# Altium PCB Drive4_NEW.PcbDoc
Units mm, origin at the board's own origin, x right, y up, seen from the top; angles counter-clockwise.
Board outline 85.24 x 26.82 mm, 4 copper layers (Top Layer, GND, PWR, Bottom Layer), stack 0.603 mm thick; 59 components, 38 nets, 163 pads, 215 vias.
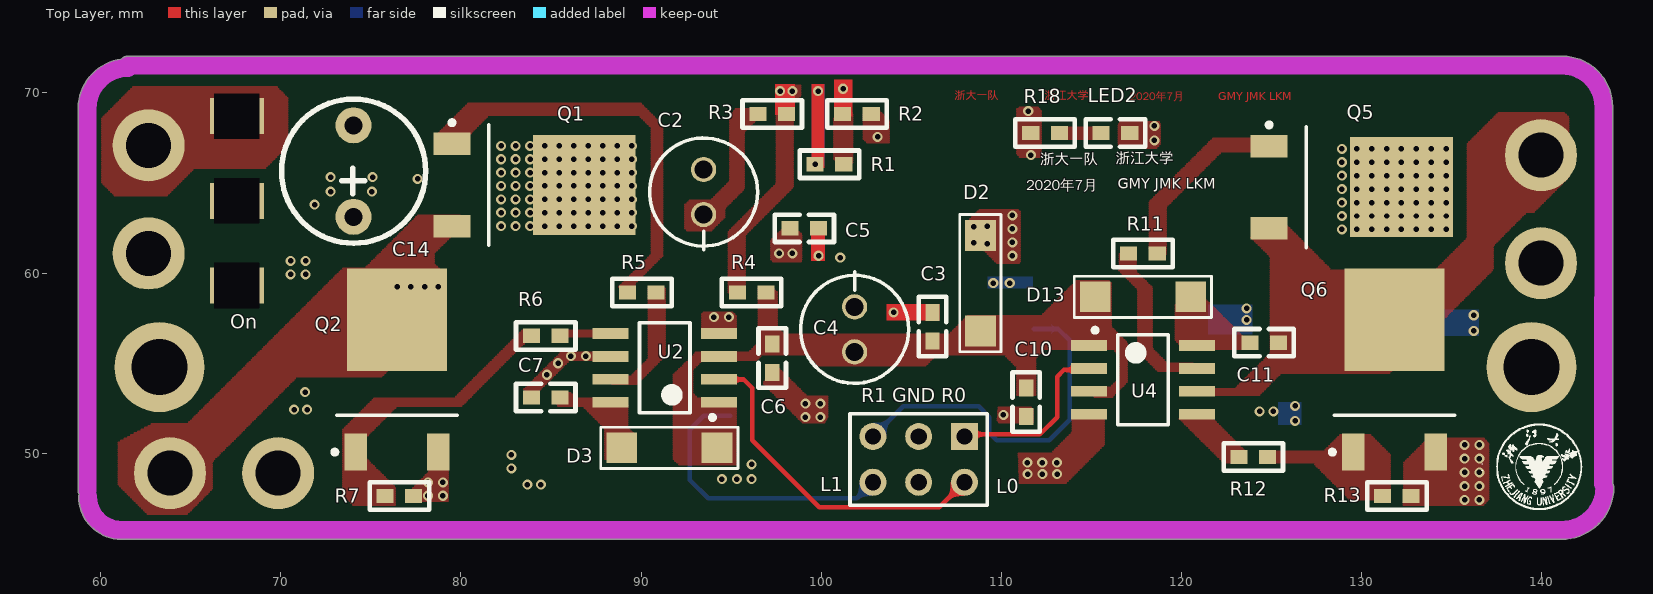
[diagram p0: Top Layer view]
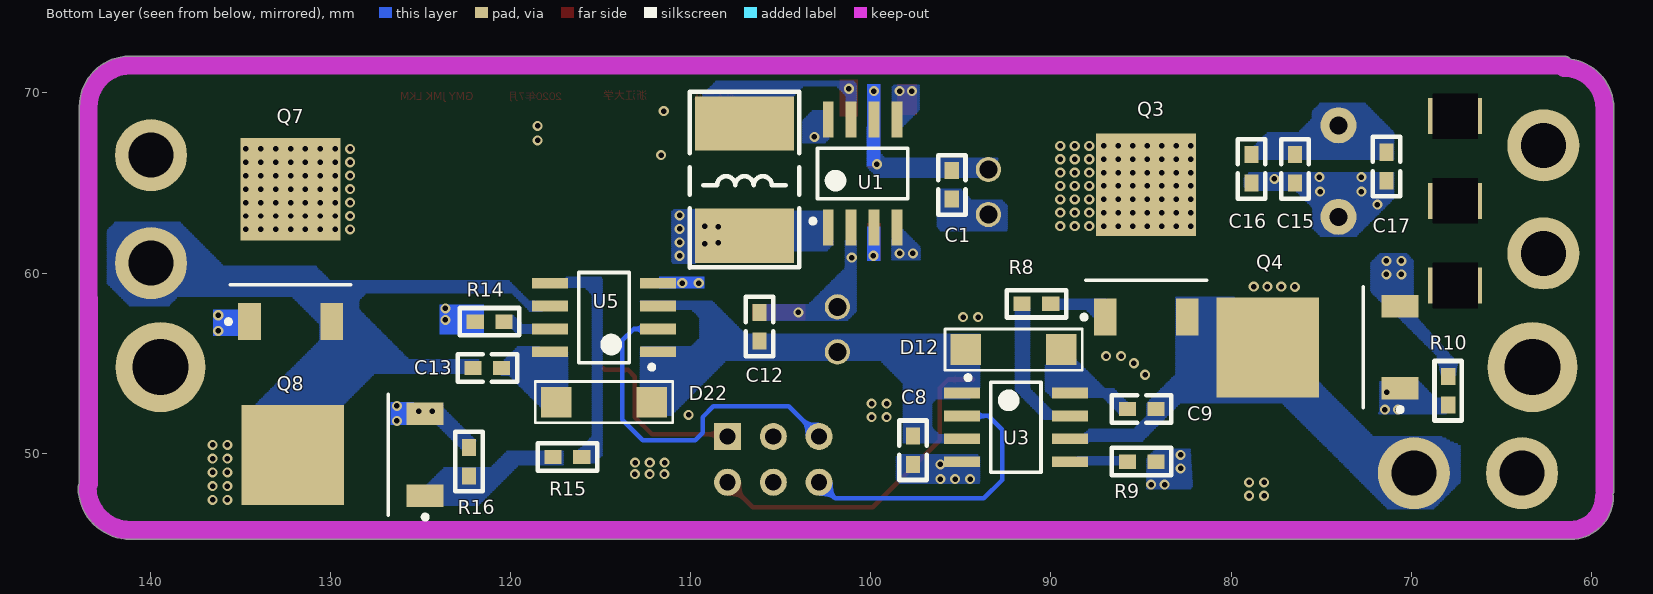
[diagram p1: Bottom Layer view, seen from below]
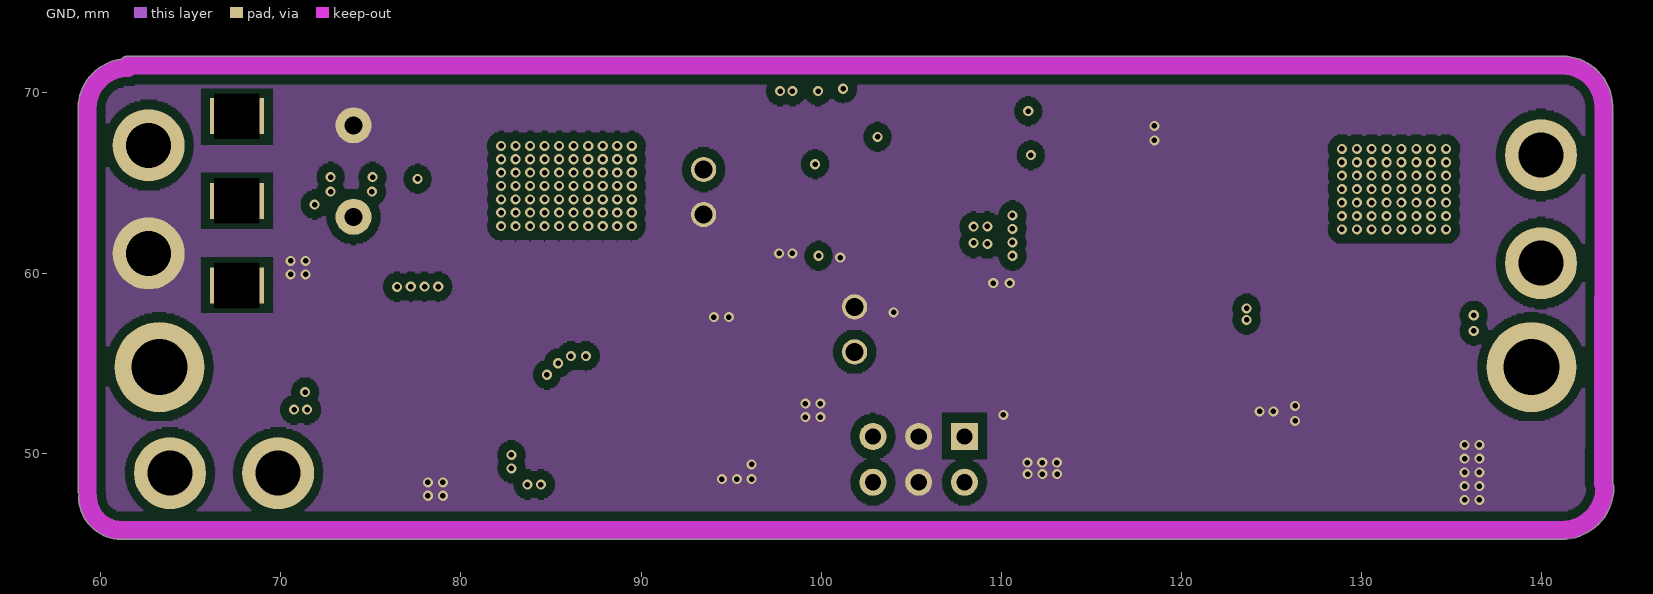
[diagram p2: GND]
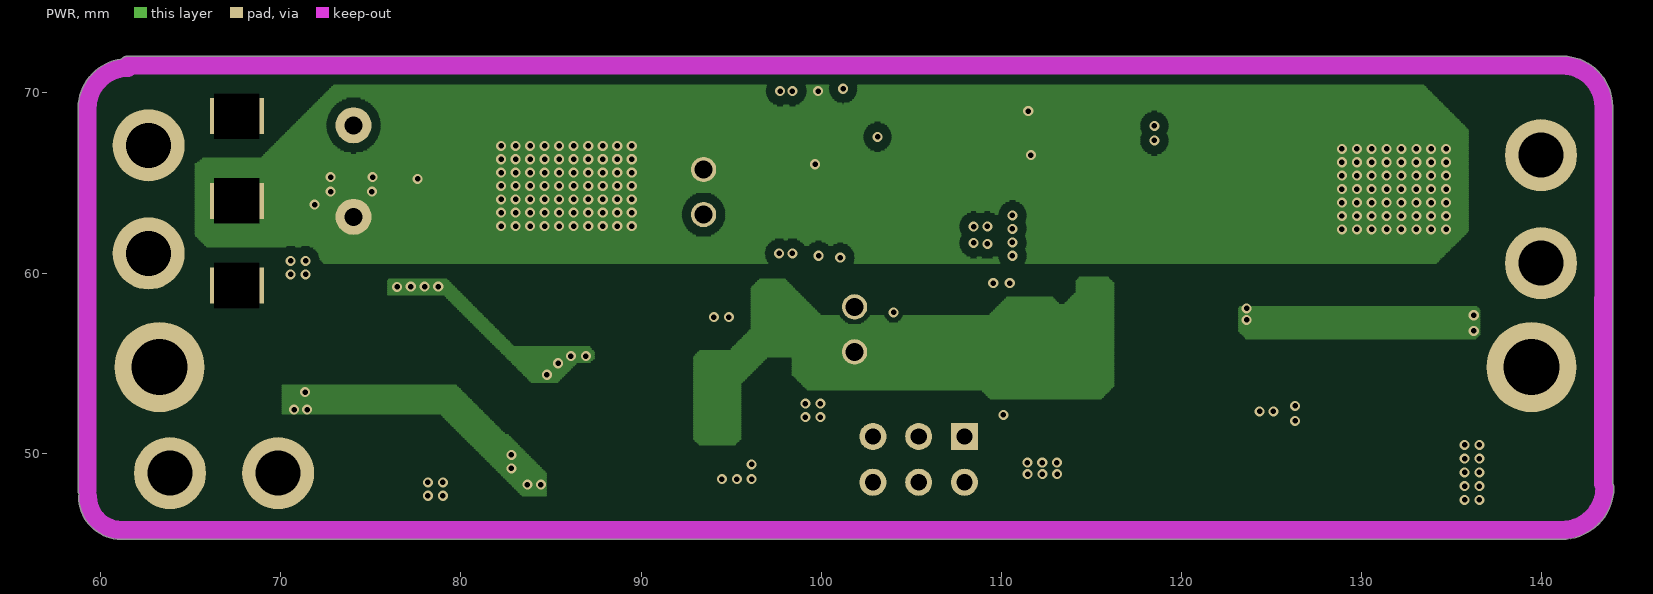
[diagram p3: PWR]

## Layer stack, top to bottom
Top Solder: solder mask 0.0102, Solder Resist, Dk 3.5
Top Layer: signal copper 0.0356
Dielectric 1: dielectric 0.32, FR-4, Dk 4.8
GND: signal copper 0.035
Dielectric 3: prepreg 0.0711, PP-006, Dk 4.1
PWR: signal copper 0.035
Dielectric 2: prepreg 0.0711, PP-006, Dk 4.1
Bottom Layer: signal copper 0.0356
Bottom Solder: solder mask 0.0102, Solder Resist, Dk 3.5

## Board outline
61.124,45.221 ccw(c61.131,45.729) 61.141,45.221 ccw(c61.158,45.729) 61.158,45.22 141.105,45.22 ccw(c141.105,45.729) 141.109,45.22 cw(c141.111,45.729) 141.105,45.22 141.109,45.22 ccw(c141.111,45.729) 141.113,45.22 ccw(c141.105,48.112) 143.997,48.07 ccw(c143.489,48.078) 143.997,48.078 ccw(c143.489,48.078) 143.926,48.336 143.939,69.088 ccw(c143.431,69.088) 143.939,69.088 ccw(c143.431,69.088) 143.928,69.195 ccw(c143.421,69.241) 143.93,69.241 ccw(c143.421,69.241) 143.93,69.242 ccw(c141.127,69.235) 141.167,72.038 ccw(c141.16,71.529) 141.147,72.038 ccw(c141.127,71.53) 141.127,72.038 61.52,72.038 ccw(c61.52,71.53) 61.149,71.877 ccw(c61.52,69.136) 58.754,69.176 ccw(c59.262,69.168) 58.764,69.065 ccw(c59.262,68.961) 58.753,68.961 58.753,47.926 ccw(c59.262,47.926) 58.8,47.712 ccw(c59.294,47.589) 58.785,47.587 ccw(c61.158,47.593)

## Design rules (kind name [scope] priority, off if disabled: settings)
Clearance [All] p1: gap=0.254 ignorepadtopadclearanceinfootprint=TRUE except(0: Arc-Hole Track-Hole SMDPad-Hole THPad-Hole Via-Hole Fill-Hole Poly-Hole Region-Hole Text-Hole)
MinimumSolderMaskSliver [All] p1: minsoldermaskwidth=0.051
PlaneConnect [All] p1: planeconnectstyle=Direct reliefexpansion=0.508 reliefentries=4 reliefconductorwidth=0.254 reliefairgap=0.254
PolygonConnect [All] p1: connectstyle=Direct reliefconductorwidth=0.254 reliefentries=4 polygonreliefangle="90 Angle" airgapwidth=0.254
RoutingVias [All] p1: holewidth=0.559 width=0.559 viastyle="Through Hole" minholewidth=0.305 minwidth=0.305 maxholewidth=1.27 maxwidth=1.27
SilkToSilkClearance [All] p1: silktosilkclearance=0.051
SilkToSolderMaskClearance [IsPad] p1: minsilkscreentomaskgap=0.051 clearancetoexposedcopper=TRUE
SolderMaskExpansion [All] p1: expansion=0.102
Width [All] p1: maxlimit=0.254 minlimit=0.254 preferedwidth=0.254
26 further rules are at their usual default settings.

## Classes and differential pairs
component class Sheet2: C1 C2 C3 C4 C5 C6 C7 C8 C9 C10 C11 C12 C13 C14 C15 C16 C17 D2 D3 D12 D13 D22 LED2 On Q1 Q2 Q3 Q4 Q5 Q6 Q7 Q8 R1 R2 R3 R4 R5 R6 R7 R8 R9 R10 R11 R12 R13 R14 R15 R16 R18 U1 U2 U3 U4 U5

## Components (designator, comment, footprint, x,y, rotation, side; value= is the part's Value field where it differs from the comment)
C1 "Cap" 0603C 95.504,64.897 r90 bottom value=100nF
C2 "Cap" 电解电容 93.472,65.746 r270 top value=100uF/16V
C3 "Cap" 0603C 106.172,57.023 r270 top value=100nF
C4 "Cap" 电解电容 101.854,55.626 r90 top value=100uF/16V
C5 "Cap" 0603C 99.06,62.484 r0 top value=470pF
C6 "Cap" 0603C 97.282,55.277 r90 top value=100nF
C7 "Cap" 0603C 84.709,53.086 r0 top value=1.5uF
C8 "Cap" 0603C 97.663,50.165 r90 bottom value=100nF
C9 "Cap" 0603C 84.963,52.451 r0 bottom value=1.5uF
C10 "Cap" 0603C 111.379,52.832 r90 top value=100nF
C11 "Cap" 0603C 124.587,56.134 r180 top value=1.5uF
C12 "Cap" 0603C 106.172,57.023 r270 bottom value=100nF
C13 "Cap" 0603C 121.285,54.737 r180 bottom value=1.5uF
C14 "Cap" CAP5.08/8 74.024,63.078 r90 top value=470uF/16V
C15 "Cap" 0603C 76.454,65.786 r270 bottom value=100nF
C16 "Cap" 0603C 78.867,65.786 r270 bottom value=100nF
C17 "Cap" 0603C 71.374,65.913 r270 bottom value=100nF
D2 "1N5819" ss54 108.839,59.436 r90 top
D3 "SS14" ss54 91.567,50.292 r180 top
D12 "SS14" ss54 92.075,55.753 r0 bottom
D13 "SS14" ss54 117.856,58.674 r180 top
D22 "SS14" ss54 114.808,52.832 r180 bottom
LED2 "0" 0603C 116.332,67.767 r0 top
On "SW-SPDT" SW 67.564,64.009 r90 top (schematic designator S1)
P4 "Header 3X2" HDR2X3 107.95,50.927 r180 top
Q1 "MOSFET" DPAK-1 84.052,64.891 r0 top
Q2 "MOSFET" DPAK-1 76.454,54.61 r90 top
Q3 "MOSFET" DPAK-1 84.709,62.103 r90 bottom
Q4 "MOSFET" DPAK-1 75.162,55.874 r0 bottom
Q5 "MOSFET" DPAK-1 129.413,64.77 r0 top
Q6 "MOSFET" DPAK-1 131.826,54.61 r90 top
Q7 "MOSFET" DPAK-1 132.207,61.849 r90 bottom
Q8 "MOSFET" DPAK-1 129.286,49.911 r0 bottom
R1 "Res2" 0603R 100.457,66.04 r0 top value=0.22
R2 "Res2" 0603R 101.981,68.834 r180 top value=180
R3 "Res2" 0603R 97.282,68.834 r180 top value=3.9k
R4 "Res2" 0603R 96.139,58.928 r180 top value=33k
R5 "Res2" 0603R 90.043,58.928 r0 top value=20
R6 "Res2" 0603R 84.709,56.515 r0 top value=20
R7 "Res2" 0603R 76.581,47.625 r180 top value=10k
R8 "Res2" 0603R 90.805,58.293 r0 bottom value=20
R9 "Res2" 0603R 84.963,49.53 r0 bottom value=20
R10 "Res2" 0603R 67.945,53.467 r270 bottom value=10k
R11 "Res2" 0603R 117.856,61.087 r180 top value=20
R12 "Res2" 0603R 123.984,49.784 r180 top value=20
R13 "Res2" 0603R 131.953,47.625 r180 top value=10k
R14 "Res2" 0603R 121.158,57.299 r180 bottom value=20
R15 "Res2" 0603R 116.84,49.784 r180 bottom value=20
R16 "Res2" 0603R 122.301,49.53 r270 bottom value=10k
R18 "Res2" 0603R 112.427,67.767 r180 top value=11k
U1 "MC34063" SOIC-8 100.457,65.532 r90 bottom
U2 "IR2104" SOIC-8 91.313,54.737 r180 top
U3 "IR2104" SOIC-8 91.948,51.435 r180 bottom
U4 "IR2104" SOIC-8 117.856,54.07 r0 top
U5 "IR2104" SOIC-8 114.808,57.531 r0 bottom
? "Comment" CD54 107.01,65.119 r90 bottom
? "Comment" VCCBAT#1 139.954,64.992 r90 top
? "Comment" VCCBAT#2 62.662,65.532 r90 top
? "Comment" VCCBAT#2 65.405,48.895 r180 top

## Footprints (in the part's own frame and the unit in brackets; to place one, negate y for a bottom-side part, rotate by r counter-clockwise, add the part's x,y. Pads: shape width x height; smd on the part's side, far side on the other; paste and mask are expansions set on the pad)
0603C [mil]
  rect 37.5x31 smd: 1(-31.25,0) 2(31.25,0)
  silkscreen extent -65,-30 65,30
0603R [mil]
  rect 37.5x31 smd: 1(-31.25,0) 2(31.25,0)
  silkscreen extent -65,-30 65,30
CAP5.08/8 [mm]
  round 2 hole 1: 1(0.041,-0.017) 2(5.121,-0.017)
  silkscreen extent -1.42,-4.02 6.58,3.98
CD54 [mm] "5.8*5.2*4.5mm（长宽高）"
  rect 3x5.5 smd: 1(-3.048,0) 2(3.175,0)
  silkscreen extent -4.83,-3.05 4.95,3.05, body extent -2.87,-2.5 2.87,2.5, height 4
DPAK-1 [mm]
  rect 2.05x1.25 smd: 1(-4.55,2.28) 3(-4.55,-2.28)
  rect 5.7x5.55 smd: 4(2.794,0)
  silkscreen extent -4.67,-3.35 -2.5,3.58, body extent -2.15,-3.37 4.07,3.37, height 2.38
HDR2X3 [mm] "Connector; Header; 3x2 Position"
  rect 1.5x1.5 hole 0.9: 1(0,0)
  round 1.5 hole 0.9: 2(0,2.54) 3(2.54,0) 4(2.54,2.54) 5(5.08,0) 6(5.08,2.54)
  silkscreen extent -1.27,-1.27 6.35,3.81
SOIC-8 [mm]
  rect 2x0.6 smd: 1(-3,1.905) 2(-3,0.635) 3(-3,-0.635) 4(-3,-1.905) 5(3,-1.905) 6(3,-0.635) 7(3,0.635) 8(3,1.905)
  silkscreen extent -2.77,-2.5 1.4,2.88, body extent -3.05,-2.44 3.05,2.46, height 1.51
ss54 [mm]
  rect 1.7x1.7 smd: A(-2.65,0) K(2.65,0)
  silkscreen extent -3.81,-1.14 3.81,1.14
SW [mm]
  rect 2x3 hole 2.5 square: 1(-4.7,0) 2(0,0) 3(4.7,0)
VCCBAT#1 [mm]
  round 4 hole 2.5: 1(-4.445,0) ""(1.555,0)
VCCBAT#2 [mm]
  round 4 hole 2.5: 1(-4.445,0) 1(1.555,0)
电解电容 [mm]
  round 1.4 hole 1: 1(0,0) 2(2.5,0)
  silkscreen extent -1.75,-3 4.44,3

## Part data
C1 C3 C5 C6 C7 C8 C9 C10 C11 C12 C13 C15 C16 C17: "Capacitor", LatestRevisionDate=17-Jul-2002, LatestRevisionNote="Re-released for DXP Platform.", PackageDescription="Radial Cap, Thru-Hole; 2 Leads; 0.3 in Pin Spacing", PackageReference=RAD-0.3, Published=8-Jun-2000, Publisher="Altium Limited"
C2 C4 C14: library part Cap2, "Capacitor", LatestRevisionDate=17-Jul-2002, LatestRevisionNote="Re-released for DXP Platform.", PackageDescription="Radial Cap, Thru-Hole; 2 Leads; 0.3 in Pin Spacing", PackageReference=RAD-0.3, Published=8-Jun-2000, Publisher="Altium Limited"
D2 D3 D12 D13 D22: library part Diode_1, "Default Diode", Code_JEDEC=DO-214-AB, LatestRevisionDate=17-Jul-2002, LatestRevisionNote="Re-released for DXP Platform.", PackageDescription="DO-214-AB/SMC; 2 C-Bend Leads; Body 7.9 x 5.9 mm, inc. leads (LxW)", PackageReference=SMC, PackageVersion=Sep-1996, Published=8-Jun-2000, Publisher="Altium Limited"
LED2: library part LED2, "Typical RED, GREEN, YELLOW, AMBER GaAs LED", LatestRevisionDate=17-Jul-2002, LatestRevisionNote="Re-released for DXP Platform.", PackageDescription="SM LED; 2 Flat Leads", PackageReference=3.2X1.6X1.1, PackageVersion=Feb-2002, Published=8-Jun-2000, Publisher="Altium Limited"
On: "SPDT Subminiature Toggle Switch, Right Angle Mounting, Vertical Actuation", ComponentLink1Description="Manufacturer Link", ComponentLink1URL=http://www.apem.com, DatasheetVersion=05-Dec-2000, LatestRevisionDate=17-Dec-2003, LatestRevisionNote="Schematic revised, PCB Footprint replaced.", PackageDescription="Switch; 4 Leads", PackageReference=TL36WW15050, Published=24-Mar-1999, Publisher="Altium Limited"
P4: "Header, 3-Pin, Dual row", LatestRevisionDate=17-Jul-2002, LatestRevisionNote="Re-released for DXP Platform.", Publisher="Altium Limited"
Q1 Q2 Q3 Q4 Q5 Q6 Q7 Q8: library part MOSFET-N
R1 R2 R3 R4 R6 R7 R8 R9 R10 R11 R12 R13 R14 R15 R16 R18: "Resistor", LatestRevisionDate=17-Jul-2002, LatestRevisionNote="Re-released for DXP Platform.", PackageDescription="Axial Device, Thru-Hole; 2 Leads; 0.4 in Pin Spacing", PackageReference=AXIAL-0.4, Published=8-Jun-2000, Publisher="Altium Limited"
R5: "Resistor 用了15欧", LatestRevisionDate=17-Jul-2002, LatestRevisionNote="Re-released for DXP Platform.", PackageDescription="Axial Device, Thru-Hole; 2 Leads; 0.4 in Pin Spacing", PackageReference=AXIAL-0.4, Published=8-Jun-2000, Publisher="Altium Limited"

## Free pads (board coordinates)
  round 5 hole 3.1: 21(63.262,54.779) 21(139.43,54.779)

## Via types
v1: diameter 0.559, hole 0.305, Top Layer to Bottom Layer, tented both sides, 215 vias

## Nets (pads, with @x,y where several pads share a name; then routed paths per layer and width w, separated by ;. In a path a pad name is that pad's centre, name@x,y a point inside that pad or via, vN(x,y) a via of type N, cw(c..) or ccw(c..) an arc to the next point about the centre after c; other vN are vias at no path point)
D12V: C3.2 C4.1 C6.2 C8.2 C10.2 C12.2 D2.A D3.A D12.K D13.K D22.K R4.1 U2.1 U2.3 U3.1 U3.3 U4.1 U4.3 U5.1 U5.3
GND: ?.1@62.662,61.087 C1.1 C2.2 C3.1 C4.2 C5.1 C6.1 C8.1 C10.1 C12.1 C14.2 C15.1 C16.1 C17.1 LED2.2 P4.3 P4.4 Q2.3 Q4.3 Q6.3 Q8.3 R3.2 R7.1 R10.1 R13.1 R16.1 U1.2 U1.4 U2.4 U3.4 U4.4 U5.4
  other v1: 135.712,47.409 136.538,47.409 78.168,47.638 78.994,47.638 135.712,48.171 136.538,48.171 78.168,48.384 78.994,48.384 94.488,48.565 95.313,48.565 96.139,48.565 111.455,48.844 112.281,48.844 113.094,48.844 135.712,48.933 136.538,48.933 96.139,49.378 111.442,49.479 112.268,49.479 113.081,49.479 135.712,49.695 136.538,49.695 135.712,50.457 136.538,50.457 126.305,51.797 99.123,52.007 99.949,52.007 110.109,52.121 124.333,52.324 125.095,52.324 126.305,52.623 99.123,52.753 99.949,52.753 94.043,57.556 94.869,57.556 104.013,57.81 109.55,59.436 110.465,59.436 70.548,59.931 71.374,59.931 70.548,60.677 71.374,60.677 101.057,60.858 97.663,61.087 98.405,61.087 118.491,67.361 118.491,68.174
L0: P4.2 U2.2 | length 18.9
  Top Layer w0.254: U2.2 94.325,54.09 95.694,54.09 96.164,53.619 96.164,50.724 99.898,46.99 106.553,46.99 P4.2
L1: P4.6 U3.2 | length 16.3
  Bottom Layer w0.254: U3.2 93.472,52.07 92.71,51.308 92.71,48.514 93.726,47.498 101.981,47.498 P4.6
L+: ?.1@63.85,48.895 C7.1 Q1.3 Q2.4 U2.6
  other v1: 84.772,54.356 85.388,54.991 86.106,55.394 86.931,55.394 76.454,59.233 77.216,59.246 77.978,59.246 78.74,59.246
L-: ?.1@69.85,48.895 C9.1 Q3.3 Q4.4 U3.6
NetC5_2: C5.2 U1.3
  other v1: 99.854,60.96
NetC7_2: C7.2 D3.K U2.8
NetC9_2: C9.2 D12.A U3.8
NetC11_2: C11.2 D13.A U4.8
NetC13_2: C13.2 D22.A U5.8
NetD2_1: ?.1@107.01,62.071 D2.K U1.1
  other v1: 110.617,60.96 109.22,61.62 108.458,61.671 110.617,61.706 110.617,62.452 108.458,62.579 109.22,62.586 110.617,63.198
NetD4_1: Q1.1 R5.1
NetD4_2: R5.2 U2.7
NetD5_1: Q2.1 R6.1 R7.2
NetD5_2: R6.2 U2.5
NetD10_1: Q3.1 R8.1
NetD10_2: R8.2 U3.7
NetD11_1: Q4.1 R9.1 R10.2
  other v1: 83.693,48.26 84.439,48.26 82.804,49.162 82.804,49.908 70.739,52.417 71.465,52.417 71.349,53.388
NetD11_2: R9.2 U3.5
NetD14_1: Q5.1 R11.1
NetD14_2: R11.2 U4.7
NetD15_1: Q6.1 R12.1 R13.2
NetD15_2: R12.2 U4.5
NetD20_1: Q7.1 R14.1
  other v1: 136.22,56.794 123.609,57.404 136.22,57.658 123.609,58.039
NetD20_2: R14.2 U5.7
NetD21_1: Q8.1 R15.1 R16.2
NetD21_2: R15.2 U5.5
NetL1_1: ?.2 R1.2 R2.2 U1.7
  other v1: 101.219,70.231
NetLED2_1: LED2.1 R18.1
NetR2_1: R2.1 U1.8
  other v1: 103.124,67.564
NetR3_1: R3.1 R4.2 U1.5
  other v1: 97.714,70.104 98.4,70.104
R0: P4.1 U4.2 | length 9.8
  Top Layer w0.254: P4.1 108.068,51.045 112.141,51.045 113.094,51.997 113.094,54.242 113.475,54.623 114.774,54.623 U4.2
R1: P4.5 U5.2 | length 20
  Bottom Layer w0.254: P4.5 104.543,52.6 108.74,52.6 109.334,52.006 109.334,51.143 109.753,50.724 112.649,50.724 113.792,51.867 113.792,56.261 113.157,56.896 U5.2
R+: ?. C11.1 Q5.3 Q6.4 U4.6
R-: ?.1@139.954,60.547 C13.1 Q7.3 Q8.4 U5.6
VCC: C1.2 C2.1 C14.1 C15.2 C16.2 C17.2 On.2 Q1.4 Q3.4 Q5.4 Q7.4 R1.1 R18.2 U1.6
  other v1: 128.905,62.421 129.73,62.421 130.556,62.421 131.381,62.421 132.207,62.421 133.032,62.421 133.858,62.421 134.683,62.421 82.233,62.611 83.038,62.611 83.844,62.611 84.649,62.611 85.455,62.611 86.26,62.611 87.066,62.611 87.871,62.611 88.677,62.611 89.482,62.611 128.905,63.167 129.73,63.167 130.556,63.167 131.381,63.167 132.207,63.167 133.032,63.167 133.858,63.167 134.683,63.167 82.233,63.352 83.038,63.352 83.844,63.352 84.649,63.352 85.455,63.352 86.26,63.352 87.066,63.352 87.871,63.352 88.677,63.352 89.482,63.352 71.882,63.805 128.905,63.913 129.73,63.913 130.556,63.913 131.381,63.913 132.207,63.913 133.032,63.913 133.858,63.913 134.683,63.913 82.233,64.093 83.038,64.093 83.844,64.093 84.649,64.093 85.455,64.093 86.26,64.093 87.066,64.093 87.871,64.093 88.677,64.093 89.482,64.093 72.771,64.516 75.057,64.516 128.905,64.659 129.73,64.659 130.556,64.659 131.381,64.659 132.207,64.659 133.032,64.659 133.858,64.659 134.683,64.659 82.233,64.833 83.038,64.833 83.844,64.833 84.649,64.833 85.455,64.833 86.26,64.833 87.066,64.833 87.871,64.833 88.677,64.833 89.482,64.833 77.597,65.227 72.771,65.329 75.095,65.329 128.905,65.405 129.73,65.405 130.556,65.405 131.381,65.405 132.207,65.405 133.032,65.405 133.858,65.405 134.683,65.405 82.233,65.574 83.038,65.574 83.844,65.574 84.649,65.574 85.455,65.574 86.26,65.574 87.066,65.574 87.871,65.574 88.677,65.574 89.482,65.574 99.663,66.04 128.905,66.151 129.73,66.151 130.556,66.151 131.381,66.151 132.207,66.151 133.032,66.151 133.858,66.151 134.683,66.151 82.233,66.315 83.038,66.315 83.844,66.315 84.649,66.315 85.455,66.315 86.26,66.315 87.066,66.315 87.871,66.315 88.677,66.315 89.482,66.315 111.633,66.548 128.905,66.897 129.73,66.897 130.556,66.897 131.381,66.897 132.207,66.897 133.032,66.897 133.858,66.897 134.683,66.897 82.233,67.056 83.038,67.056 83.844,67.056 84.649,67.056 85.455,67.056 86.26,67.056 87.066,67.056 87.871,67.056 88.677,67.056 89.482,67.056 111.493,68.986 99.822,70.104
VIN: ?.1@62.662,67.087 On.3
pads on no net: On.1

## Polygon pours and split planes (outlines as drawn)
NetD20_1 on PWR "PWR-NetD20_1" (hatched Horizontal grid 0.102 track 0.127, remove dead copper, pour order 154): 123.19,58.039 123.368,58.217 136.271,58.217 136.538,57.95 136.538,56.591 136.525,56.591 136.22,56.286 123.698,56.286 123.19,56.794
L+ on PWR "PWR-L+" (hatched Horizontal grid 0.102 track 0.127, remove dead copper, pour order 116): 79.146,59.69 82.956,55.88 87.122,55.88 87.376,55.626 87.376,55.27 87.37,55.27 87.066,54.966 86.36,54.966 85.306,53.911 83.96,53.911 79.045,58.826 75.946,58.826 75.946,59.563 76.073,59.69
NetD11_1 on PWR "PWR-NetD11_1" (hatched Horizontal grid 0.102 track 0.127, remove dead copper, pour order 114): 70.104,52.197 78.867,52.197 83.426,47.638 84.709,47.638 84.709,48.895 82.55,51.054 82.423,51.054 79.629,53.848 70.206,53.848 70.104,53.746
D12V on PWR "PWR-D12V" (hatched Horizontal grid 0.102 track 0.127, remove dead copper, pour order 4): 93.345,55.753 94.996,55.753 96.139,56.896 96.139,59.182 96.647,59.69 97.917,59.69 99.949,57.658 109.347,57.658 110.363,58.674 112.776,58.674 113.157,58.293 113.538,58.293 114.173,58.928 114.173,59.563 114.427,59.817 115.824,59.817 116.205,59.436 116.205,53.721 115.443,52.959 109.474,52.959 108.966,53.467 99.314,53.467 98.425,54.356 98.425,55.245 98.298,55.372 97.028,55.372 95.504,53.848 95.504,50.8 95.123,50.419 93.315,50.419 92.934,50.8 92.934,55.342
VCC on PWR "PWR-VCC" (hatched Horizontal grid 0.102 track 0.127, remove dead copper, pour order 0): 65.786,66.421 68.961,66.421 73.025,70.485 133.35,70.485 135.89,67.945 135.89,62.325 134.112,60.547 72.422,60.547 71.501,61.468 65.913,61.468 65.278,62.103 65.278,66.04
GND on GND "GND-GND" (hatched Horizontal grid 0.102 track 0.127, remove dead copper, pour order 164): 53.721,80.01 55.499,78.232 150.368,78.232 150.368,40.132 147.574,37.338 147.193,37.719 53.34,37.719
no net on GND "GND-No Net" (hatched Horizontal grid 0.102 track 0.127, remove dead copper, pour order 6): 57.658,73.66
NetR3_1 on Top Layer "Top Layer-NetR3_1 1" (hatched Horizontal grid 0.102 track 0.127, remove dead copper, pour order 172): 98.247,70.485 98.831,70.485 98.831,69.825 98.478,69.471 98.333,69.471
no net on Top Layer "Top Layer-No Net 1" (hatched Horizontal grid 0.102 track 0.127, remove dead copper, pour order 170): 97.79,70.485
NetR2_1 on Top Layer "Top Layer-NetR2_1" (hatched Horizontal grid 0.102 track 0.127, remove dead copper, pour order 166): 102.362,68.961 102.362,67.437 102.641,67.158 103.759,67.158 103.759,68.453 103.124,69.088
GND on Top Layer "Top Layer-GND" (hatched Horizontal grid 0.102 track 0.127, remove dead copper, pour order 162): 109.855,52.588 111.59,52.588 111.76,52.417 111.76,51.676 109.912,51.676 109.791,51.797
GND on Top Layer "Top Layer-GND 1" (hatched Horizontal grid 0.102 track 0.127, remove dead copper, pour order 158): 110.96,50.06 112.849,50.06 113.944,51.156 113.944,52.197 115.547,52.197 115.697,52.347 115.697,50.47 113.487,48.26 111.023,48.26
GND on Top Layer "Top Layer-GND 2" (hatched Horizontal grid 0.102 track 0.127, remove dead copper, pour order 148): 132.359,47.752 132.359,49.479 133.782,50.902 136.677,50.902 137.033,50.546 137.033,47.422 136.728,47.117 132.334,47.117
GND on Top Layer "Top Layer-GND 3" (hatched Horizontal grid 0.102 track 0.127, remove dead copper, pour order 140): 116.637,68.453 118.655,68.453 118.808,68.299 118.808,67.158 118.548,66.897 116.7,66.897 116.51,67.087 116.51,68.199
NetD2_1 on Top Layer "Top Layer-NetD2_1" (hatched Horizontal grid 0.102 track 0.127, remove dead copper, pour order 134): 108.179,62.89 108.864,63.576 110.846,63.576 111.023,63.398 111.023,60.617 110.922,60.515 109.791,60.515 109.017,61.29 108.077,61.29
VCC on Top Layer "Top Layer-VCC" (hatched Horizontal grid 0.102 track 0.127, remove dead copper, pour order 132): 111.169,69.291 111.912,69.291 112.192,69.012 112.192,66.484 112.052,66.345 111.125,66.345 110.871,66.599 110.871,69.083
GND on Top Layer "Top Layer-GND 4" (hatched Horizontal grid 0.102 track 0.127, remove dead copper, pour order 130): 92.71,64.009 93.854,64.009 94.945,65.1 94.945,68.77 95.364,69.19 96.482,69.19 96.774,68.897 95.704,67.828 95.704,64.665 94.615,63.576 94.615,63.094 93.878,62.357 92.583,62.357 92.456,62.484 92.456,63.805
GND on Top Layer "Top Layer-GND 5" (hatched Horizontal grid 0.102 track 0.127, remove dead copper, pour order 126): 97.79,62.382 97.231,61.824 97.231,60.757 97.358,60.63 98.831,60.63 98.908,60.706 98.908,62.128 98.552,62.484 98.266,62.484
GND on Top Layer "Top Layer-GND 6" (hatched Horizontal grid 0.102 track 0.127, remove dead copper, pour order 122): 93.396,56.731 93.396,57.741 93.472,57.817 95.073,57.817 95.25,57.64 95.25,56.578
GND on Top Layer "Top Layer-GND 7" (hatched Horizontal grid 0.102 track 0.127, remove dead copper, pour order 120): 96.795,53.878 98.958,51.714 100.184,51.714 100.33,52.007 100.33,53.169 99.181,53.169 97.485,54.864
L+ on Top Layer "Top Layer-L+ 2" (hatched Horizontal grid 0.102 track 0.127, remove dead copper, pour order 14): 62.984,51.689 64.897,51.689 73.533,60.325 74.93,60.325 74.93,58.928 77.597,56.261 75.565,54.229 70.866,54.229 66.167,49.53 66.167,48.006 64.77,46.609 62.636,46.609 60.985,48.26 60.985,50.571 61.087,50.673
GND on Top Layer "Top Layer-GND 8" (hatched Horizontal grid 0.102 track 0.127, remove dead copper, pour order 108): 77.165,47.879 78.232,48.946 78.232,50.292 79.172,50.292 79.273,50.19 79.273,47.307 77.368,47.307
NetD15_1 on Top Layer "Top Layer-NetD15_1" (hatched Horizontal grid 0.102 track 0.127, remove dead copper, pour order 66): 124.409,50.19 127.991,50.19 128.905,51.105 130.378,51.105 131.572,49.911 131.572,47.371 129.413,47.371 127.381,49.403 124.409,49.403
NetD15_2 on Top Layer "Top Layer-NetD15_2" (hatched Horizontal grid 0.102 track 0.127, remove dead copper, pour order 64): 119.882,51.943 122.422,49.403 123.158,49.403 123.158,49.835 123.476,50.152 121.281,52.347
R+ on Top Layer "Top Layer-R+" (hatched Horizontal grid 0.102 track 0.127, remove dead copper, pour order 62): 121.71,53.645 123.05,53.645 124.936,55.531 124.936,60.916 123.876,61.976 124.066,62.166 124.066,62.992 125.476,62.992 128.219,60.249 134.188,60.249 135.89,61.951 135.89,67.183 137.668,68.961 141.16,68.961 141.478,68.643 141.478,65.329 139.548,63.398 139.154,63.398 137.287,61.531 137.287,60.198 131.445,54.356 125.425,54.356 124.206,53.137 120.828,53.137
NetD14_2 on Top Layer "Top Layer-NetD14_2" (hatched Horizontal grid 0.102 track 0.127, remove dead copper, pour order 60): 119.913,54.458 118.796,54.458 117.602,55.651 117.602,59.08 116.535,60.147 116.561,60.173 116.561,61.087 117.348,61.087 117.475,60.96 117.475,60.071 118.364,59.182 118.364,55.816 119.215,54.966 120.634,54.966
NetC11_2 on Top Layer "Top Layer-NetC11_2" (hatched Horizontal grid 0.102 track 0.127, remove dead copper, pour order 56): 119.678,58.217 119.678,56.261 120.186,55.753 124.054,55.753 124.079,55.778 123.571,56.286 120.752,59.106
NetD14_1 on Top Layer "Top Layer-NetD14_1" (hatched Horizontal grid 0.102 track 0.127, remove dead copper, pour order 54): 118.237,61.341 118.237,63.957 121.844,67.564 125.095,67.564 125.095,66.967 124.777,66.65 124.752,66.675 122.142,66.675 119.126,63.659 119.126,60.96
NetLED2_1 on Top Layer "Top Layer-NetLED2_1" (hatched Horizontal grid 0.102 track 0.127, remove dead copper, pour order 48): 113.538,68.174 115.672,68.174 115.672,67.361 113.538,67.361
NetR3_1 on Top Layer "Top Layer-NetR3_1" (hatched Horizontal grid 0.102 track 0.127, remove dead copper, pour order 46): 94.853,58.826 94.853,62.29 97.536,64.973 97.536,69.19 98.425,69.19 98.425,64.77 95.758,62.103 95.758,58.826
D12V on Top Layer "Top Layer-D12V" (hatched Horizontal grid 0.102 track 0.127, remove dead copper, pour order 44): 115.722,53.721 116.129,53.721 116.586,54.178 116.586,55.397 116.205,55.778 115.697,55.778 115.697,56.667 115.57,56.794 115.824,57.048 115.824,57.277 116.967,56.134 116.967,53.95 116.103,53.086 115.24,53.086 114.891,53.435 114.856,53.435
D12V on Top Layer "Top Layer-D12V 1" (hatched Horizontal grid 0.102 track 0.127, remove dead copper, pour order 40): 95.345,55.677 96.063,55.677 96.52,56.134 96.52,59.233 97.231,59.233 97.536,58.928 97.536,56.998 97.892,56.642 107.163,56.642 108.179,57.658 112.268,57.658 114.173,59.563 115.951,59.563 116.078,59.436 116.078,56.134 115.697,55.753 112.37,55.753 111.887,55.27 111.887,53.137 110.871,53.137 110.871,54.762 110.236,55.397 106.324,55.397 105.727,54.8 99.924,54.8 99.327,55.397 96.634,55.397 96.355,55.118 94.412,55.118 94.361,55.067
NetL1_1 on Top Layer "Top Layer-NetL1_1" (hatched Horizontal grid 0.102 track 0.127, remove dead copper, pour order 38): 100.711,68.58 100.711,66.345 101.219,65.837 101.524,66.142 101.727,66.142 101.727,68.834 101.6,68.961
D12V on Top Layer "Top Layer-D12V 2" (hatched Horizontal grid 0.102 track 0.127, remove dead copper, pour order 34): 93.091,55.626 91.821,54.356 91.821,49.657 92.202,49.276 95.25,49.276 95.25,52.832 94.996,53.086 93.091,53.086 92.837,53.34 92.837,54.61 93.396,55.169 94.615,55.169 94.615,55.626
NetD4_1 on Top Layer "Top Layer-NetD4_1" (hatched Horizontal grid 0.102 track 0.127, remove dead copper, pour order 32): 88.773,59.233 90.576,61.036 90.576,68.072 89.865,68.783 81.553,68.783 80.334,67.564 78.562,67.564 80.467,69.469 89.916,69.469 91.186,68.199 91.186,60.96 89.662,59.436 89.662,58.826
NetD4_2 on Top Layer "Top Layer-NetD4_2" (hatched Horizontal grid 0.102 track 0.127, remove dead copper, pour order 30): 88.919,54.356 89.535,54.356 90.424,55.245 90.424,59.233 91.237,59.233 91.313,59.309 91.313,55.397 89.662,53.746 88.392,53.746 88.392,54.023 88.313,54.102
NetC7_2 on Top Layer "Top Layer-NetC7_2" (hatched Horizontal grid 0.102 track 0.127, remove dead copper, pour order 28): 85.217,52.934 85.446,52.527 86.868,52.527 88.011,51.384 88.011,49.657 89.027,49.657 89.408,50.038 89.408,50.749 89.662,51.003 89.249,51.416 89.249,52.705 88.868,53.086 86.36,53.086 85.992,53.404 85.915,53.404 85.242,53.404
L+ on Top Layer "Top Layer-L+" (hatched Horizontal grid 0.102 track 0.127, remove dead copper, pour order 26): 83.439,53.467 85.598,55.626 87.757,55.626 87.757,55.245 87.63,55.118 85.979,55.118 84.201,53.34
no net on Top Layer "Top Layer-No Net" (hatched Horizontal grid 0.102 track 0.127, remove dead copper, pour order 24): 83.534,53.34
NetD5_2 on Top Layer "Top Layer-NetD5_2" (hatched Horizontal grid 0.102 track 0.127, remove dead copper, pour order 22): 85.09,56.896 88.288,56.896 88.313,56.871 88.011,56.569 88.011,56.388 85.63,56.388 85.503,56.261
NetD5_1 on Top Layer "Top Layer-NetD5_1" (hatched Horizontal grid 0.102 track 0.127, remove dead copper, pour order 20): 73.457,50.597 73.457,51.302 75.241,53.086 79.68,53.086 83.439,56.845 83.439,56.896 83.534,56.896 83.915,56.515 79.978,52.578 76.403,52.578 74.549,50.724 74.549,50.394
NetD5_1 on Top Layer "Top Layer-NetD5_1 1" (hatched Horizontal grid 0.102 track 0.127, remove dead copper, pour order 18): 73.457,50.673 73.457,47.701 74.041,47.117 76.302,47.117 76.327,47.142 76.327,48.108 74.549,49.886 74.549,50.698
L+ on Top Layer "Top Layer-L+ 1" (hatched Horizontal grid 0.102 track 0.127, remove dead copper, pour order 16): 74.676,60.249 77.673,63.246 79.883,63.246 80.391,62.738 80.137,62.738 78.486,61.087 78.486,60.528 78.867,60.147
VIN on Top Layer "Top Layer-VIN" (hatched Horizontal grid 0.102 track 0.127, remove dead copper, pour order 10): 60.325,68.834 61.849,70.358 69.723,70.358 70.358,69.723 70.358,67.056 69.088,65.786 65.151,65.786 63.627,64.262 60.833,64.262 60.071,65.024 60.071,68.582 60.198,68.709
NetR3_1 on Bottom Layer "Bottom Layer-NetR3_1" (hatched Horizontal grid 0.102 track 0.127, remove dead copper, pour order 174): 97.333,70.51 97.333,69.063 98.323,68.072 98.679,68.072 98.679,69.375 98.799,69.494 98.799,70.307 98.596,70.51
NetR2_1 on Bottom Layer "Bottom Layer-NetR2_1" (hatched Horizontal grid 0.102 track 0.127, remove dead copper, pour order 168): 102.362,68.961 102.362,67.437 102.641,67.158 103.759,67.158 103.759,68.453 103.124,69.088
R- on Bottom Layer "Bottom Layer-R-" (hatched Horizontal grid 0.102 track 0.127, remove dead copper, pour order 152): 118.669,58.433 118.986,58.433 120.193,59.639 130.708,59.639 129.54,58.471 129.54,58.42 129.362,58.42 128.651,57.709 128.454,57.906 128.454,58.477 128.003,58.928 119.939,58.928 118.872,57.861 118.262,57.861 118.237,57.887
no net on Bottom Layer "Bottom Layer-No Net 1" (hatched Horizontal grid 0.102 track 0.127, remove dead copper, pour order 146): 124.46,52.73
GND on Bottom Layer "Bottom Layer-GND" (hatched Horizontal grid 0.102 track 0.127, remove dead copper, pour order 144): 121.952,50.698 123.775,52.522 123.775,52.753 124.769,52.753 124.994,52.527 122.555,50.088 122.555,50.038
GND on Bottom Layer "Bottom Layer-GND 1" (hatched Horizontal grid 0.102 track 0.127, remove dead copper, pour order 138): 100.838,61.849 100.838,57.861 101.346,57.353 106.248,57.353 106.299,57.404 106.172,57.531 106.172,58.242 103.429,58.242 101.397,60.274 101.397,61.849
NetD2_1 on Bottom Layer "Bottom Layer-NetD2_1" (hatched Horizontal grid 0.102 track 0.127, remove dead copper, pour order 136): 108.179,62.89 108.864,63.576 110.846,63.576 111.023,63.398 111.023,60.617 110.922,60.515 109.791,60.515 109.017,61.29 108.077,61.29
GND on Bottom Layer "Bottom Layer-GND 2" (hatched Horizontal grid 0.102 track 0.127, remove dead copper, pour order 128): 92.837,64.093 94.471,64.093 95.021,64.643 96.266,64.643 96.28,64.629 96.28,62.547 96.013,62.281 92.583,62.281 92.456,62.408 92.456,63.754 92.583,63.881
GND on Bottom Layer "Bottom Layer-GND 3" (hatched Horizontal grid 0.102 track 0.127, remove dead copper, pour order 124): 97.282,61.45 98.253,62.421 98.806,61.867 98.806,60.706 97.333,60.706 97.282,60.757
GND on Bottom Layer "Bottom Layer-GND 4" (hatched Horizontal grid 0.102 track 0.127, remove dead copper, pour order 118): 93.98,48.387 94.107,48.26 98.303,48.26 98.557,48.514 98.557,49.806 98.456,49.908 94.104,49.908 93.98,49.784
NetD11_1 on Bottom Layer "Bottom Layer-NetD11_1 1" (hatched Horizontal grid 0.102 track 0.127, remove dead copper, pour order 112): 82.296,50.292 84.096,50.292 84.649,49.739 84.649,48.006 82.321,48.006 82.169,48.158
NetD11_1 on Bottom Layer "Bottom Layer-NetD11_1 2" (hatched Horizontal grid 0.102 track 0.127, remove dead copper, pour order 110): 68.327,52.197 71.806,52.197 71.73,52.273 71.73,53.996
GND on Bottom Layer "Bottom Layer-GND 5" (hatched Horizontal grid 0.102 track 0.127, remove dead copper, pour order 106): 67.451,55.008 69.882,57.715 69.882,58.274 70.936,58.274 70.993,58.217 70.993,57.861 68.555,55.423 68.199,53.848 67.927,53.95 67.567,54.309
GND on Bottom Layer "Bottom Layer-GND 6" (hatched Horizontal grid 0.102 track 0.127, remove dead copper, pour order 104): 69.85,58.242 69.913,58.306 69.913,60.706 70.294,61.087 71.704,61.087 72.212,60.579 72.212,58.964 71.374,58.126
VCC on Bottom Layer "Bottom Layer-VCC 1" (hatched Horizontal grid 0.102 track 0.127, remove dead copper, pour order 102): 93.218,65.227 99.517,65.227 100.203,65.913 100.203,68.174 99.568,68.174 99.568,66.726 99.187,66.345 92.964,66.345 92.964,65.278
GND on Bottom Layer "Bottom Layer-GND 7" (hatched Horizontal grid 0.102 track 0.127, remove dead copper, pour order 100): 70.993,66.294 79.197,66.294 78.816,66.675 78.816,66.929 77.927,67.818 76.175,67.818 76.175,67.869 75.463,68.58 75.463,68.978 74.972,69.469 72.644,69.469 70.993,67.818
NetL1_1 on Bottom Layer "Bottom Layer-NetL1_1" (hatched Horizontal grid 0.102 track 0.127, remove dead copper, pour order 98): 100.838,69.469 100.838,70.485 101.219,70.866 108.331,70.866 109.347,69.85 109.144,69.647 109.144,68.834 105.308,68.834 103.784,70.358 101.854,70.358 101.346,69.85 101.346,69.215
NetD2_1 on Bottom Layer "Bottom Layer-NetD2_1 1" (hatched Horizontal grid 0.102 track 0.127, remove dead copper, pour order 96): 102.489,63.5 105.283,63.5 105.791,62.992 105.791,61.214 102.489,61.214 102.108,61.595
R- on Bottom Layer "Bottom Layer-R- 1" (hatched Horizontal grid 0.102 track 0.127, remove dead copper, pour order 94): 121.793,54.356 127.641,54.356 130.181,51.816 134.112,51.816 134.112,52.705 130.556,56.261 130.556,57.15 132.131,58.725 138.466,58.725 139.065,58.126 141.057,58.126 142.367,59.436 142.367,62.357 141.859,62.865 138.43,62.865 136.017,60.452 130.915,60.452 125.632,55.169 121.774,55.169
NetD20_2 on Bottom Layer "Bottom Layer-NetD20_2" (hatched Horizontal grid 0.102 track 0.127, remove dead copper, pour order 92): 118.602,57.15 119.38,57.15 119.888,57.658 120.247,57.299 120.284,57.299 119.576,56.591 118.618,56.591
NetD21_2 on Bottom Layer "Bottom Layer-NetD21_2" (hatched Horizontal grid 0.102 track 0.127, remove dead copper, pour order 90): 116.84,59.817 115.062,59.817 114.935,59.69 114.935,59.436 114.935,49.886 115.443,49.378 115.64,49.378 116.173,49.911 116.332,49.911 116.332,50.038 115.443,50.927 115.443,58.801 115.824,59.182 117.221,59.182
no net on Bottom Layer "Bottom Layer-No Net" (hatched Horizontal grid 0.102 track 0.127, remove dead copper, pour order 88): 115.57,49.911
NetC13_2 on Bottom Layer "Bottom Layer-NetC13_2" (hatched Horizontal grid 0.102 track 0.127, remove dead copper, pour order 86): 116.84,55.626 116.84,52.959 116.713,52.832 117.119,52.426 118.161,52.426 120.091,54.356 120.491,54.356 120.491,54.991 119.59,55.893 118.491,55.893
NetD21_1 on Bottom Layer "Bottom Layer-NetD21_1" (hatched Horizontal grid 0.102 track 0.127, remove dead copper, pour order 84): 117.094,49.276 119.64,49.276 121.799,47.117 125.476,47.117 125.476,47.372 123.572,49.276 120.999,49.276 120.11,50.165 117.094,50.165
D12V on Bottom Layer "Bottom Layer-D12V" (hatched Horizontal grid 0.102 track 0.127, remove dead copper, pour order 82): 93.98,56.642 107.036,56.642 108.915,58.522 112.687,58.522 112.776,58.433 112.395,58.052 112.395,57.912 109.855,57.912 109.474,57.531 109.474,56.388 109.969,55.893 112.687,55.893 112.776,55.804 112.776,52.273 112.522,52.019 111.176,52.019 108.026,55.169 99.472,55.169 98.171,53.868 98.171,50.495 95.174,50.495 95.123,50.546 95.631,51.054 96.266,51.054 96.647,51.435 96.647,52.765 96.377,53.035 94.539,53.035 93.98,53.594
NetD10_2 on Bottom Layer "Bottom Layer-NetD10_2" (hatched Horizontal grid 0.102 track 0.127, remove dead copper, pour order 80): 91.186,58.039 91.186,53.569 89.789,52.172 89.789,51.816 90.272,51.816 91.948,53.492 91.948,58.293
NetD10_1 on Bottom Layer "Bottom Layer-NetD10_1" (hatched Horizontal grid 0.102 track 0.127, remove dead copper, pour order 78): 86.919,58.623 90.424,58.623 90.424,58.242 90.094,57.912 87.96,57.912 87.401,57.353 87.401,56.998
NetD11_2 on Bottom Layer "Bottom Layer-NetD11_2" (hatched Horizontal grid 0.102 track 0.127, remove dead copper, pour order 76): 85.926,49.886 88.519,49.886 88.519,49.276 85.926,49.276
NetC9_2 on Bottom Layer "Bottom Layer-NetC9_2" (hatched Horizontal grid 0.102 track 0.127, remove dead copper, pour order 74): 86.995,53.543 89.027,55.575 89.027,56.007 89.205,56.007 90.043,55.169 90.043,55.118 90.297,54.864 90.297,53.486 89.916,53.105
NetC9_2 on Bottom Layer "Bottom Layer-NetC9_2 1" (hatched Horizontal grid 0.102 track 0.127, remove dead copper, pour order 72): 85.725,52.765 86.554,53.594 88.062,53.594 88.062,53.131 88.011,53.08 87.065,53.08 86.106,52.121
L- on Bottom Layer "Bottom Layer-L-" (hatched Horizontal grid 0.102 track 0.127, remove dead copper, pour order 70): 68.453,50.959 72.168,50.959 79.883,58.674 83.038,58.674 83.038,54.376 84.649,52.765 84.649,52.07 85.411,51.308 87.884,51.308 88.265,50.927 88.265,50.8 88.011,50.546 87.884,50.673 84.963,50.673 82.804,52.832 77.191,52.832 71.222,46.863 68.834,46.863 67.31,48.387 67.31,50.419
NetD11_1 on Bottom Layer "Bottom Layer-NetD11_1" (hatched Horizontal grid 0.102 track 0.127, remove dead copper, pour order 68): 68.199,53.086 68.707,53.086 69.723,54.102 70.104,53.721 70.104,53.08 69.215,52.191 69.209,52.197 68.072,52.197
VCC on Bottom Layer "Bottom Layer-VCC" (hatched Horizontal grid 0.102 track 0.127, remove dead copper, pour order 12): 70.993,65.574 78.952,65.574 79.248,65.278 79.248,64.77 78.994,64.516 76.327,64.516 75.438,63.627 75.438,62.484 74.93,61.976 73.152,61.976 70.993,64.135

## Keep-outs
Keep-Out Layer:
  lines w1.016: 59.262,47.926 59.262,68.961 ; 59.262,69.168 cw(c61.52,69.136) 61.514,71.394 ; 59.294,47.589 ccw(c61.158,47.593) 61.131,45.729 ; 61.158,45.729 141.105,45.729 ; 61.52,71.53 141.127,71.53 ; 141.111,45.729 ccw(c141.105,48.112) 143.489,48.078 ; 141.16,71.529 cw(c141.127,69.235) 143.421,69.241 ; 143.418,48.307 143.431,69.088

## Other copper
Top Layer:
  rectangle net GND: 103.632,57.366 106.553,58.293
  rectangle net NetR3_1: 97.434,68.77 98.552,70.485
  rectangle net NetL1_1: 100.711,68.682 101.727,70.739
  rectangle net VCC: 99.454,65.837 100.184,70.485
  rectangle net NetC5_2: 99.441,60.677 100.203,62.789
  text "浙大一队" at 107.417,69.471 h0.76
  text "浙江大学" at 112.395,69.469 h0.76
  text "2020年7月" at 117.126,69.419 h0.76
  text "GMY JMK LKM" at 122.047,69.419 h0.76
Bottom Layer:
  rectangle net NetD20_1: 134.366,56.515 136.525,57.982
  rectangle net NetD20_1: 121.469,56.591 123.952,58.242
  rectangle net GND: 125.349,51.562 126.648,52.832
  rectangle net GND: 109.22,59.131 111.76,59.817
  rectangle net VCC: 99.472,65.938 100.203,70.485
  rectangle net NetC5_2: 99.472,60.677 100.203,62.586

## Silkscreen, mask and mechanical layers (free items; w line width, h text height)
Top Overlay:
  drawing of 1340 lines, arcs and shapes, not listed
  text "浙江大学" at 116.344,65.888 h1.02
  text "浙大一队" at 112.166,65.856 h1.02
  text "GMY JMK LKM" at 116.459,64.491 h1.02
  text "2020年7月" at 111.379,64.389 h1.02
  text "R1 GND R0" at 102.235,52.832 h0.76
  text "L1" at 99.949,47.879 h0.76
  text "L0" at 109.728,47.79 h0.76
Mechanical 1:
  lines w1.016: 59.262,47.926 59.262,68.961 ; 59.262,69.168 cw(c61.52,69.136) 61.514,71.394 ; 59.294,47.589 ccw(c61.158,47.593) 61.131,45.729 ; 61.158,45.729 141.105,45.729 ; 61.52,71.53 141.127,71.53 ; 141.111,45.729 ccw(c141.105,48.112) 143.489,48.078 ; 141.16,71.529 cw(c141.127,69.235) 143.421,69.241 ; 143.418,48.307 143.431,69.088